# KiCad board JBX16.kicad_pcb (continued)
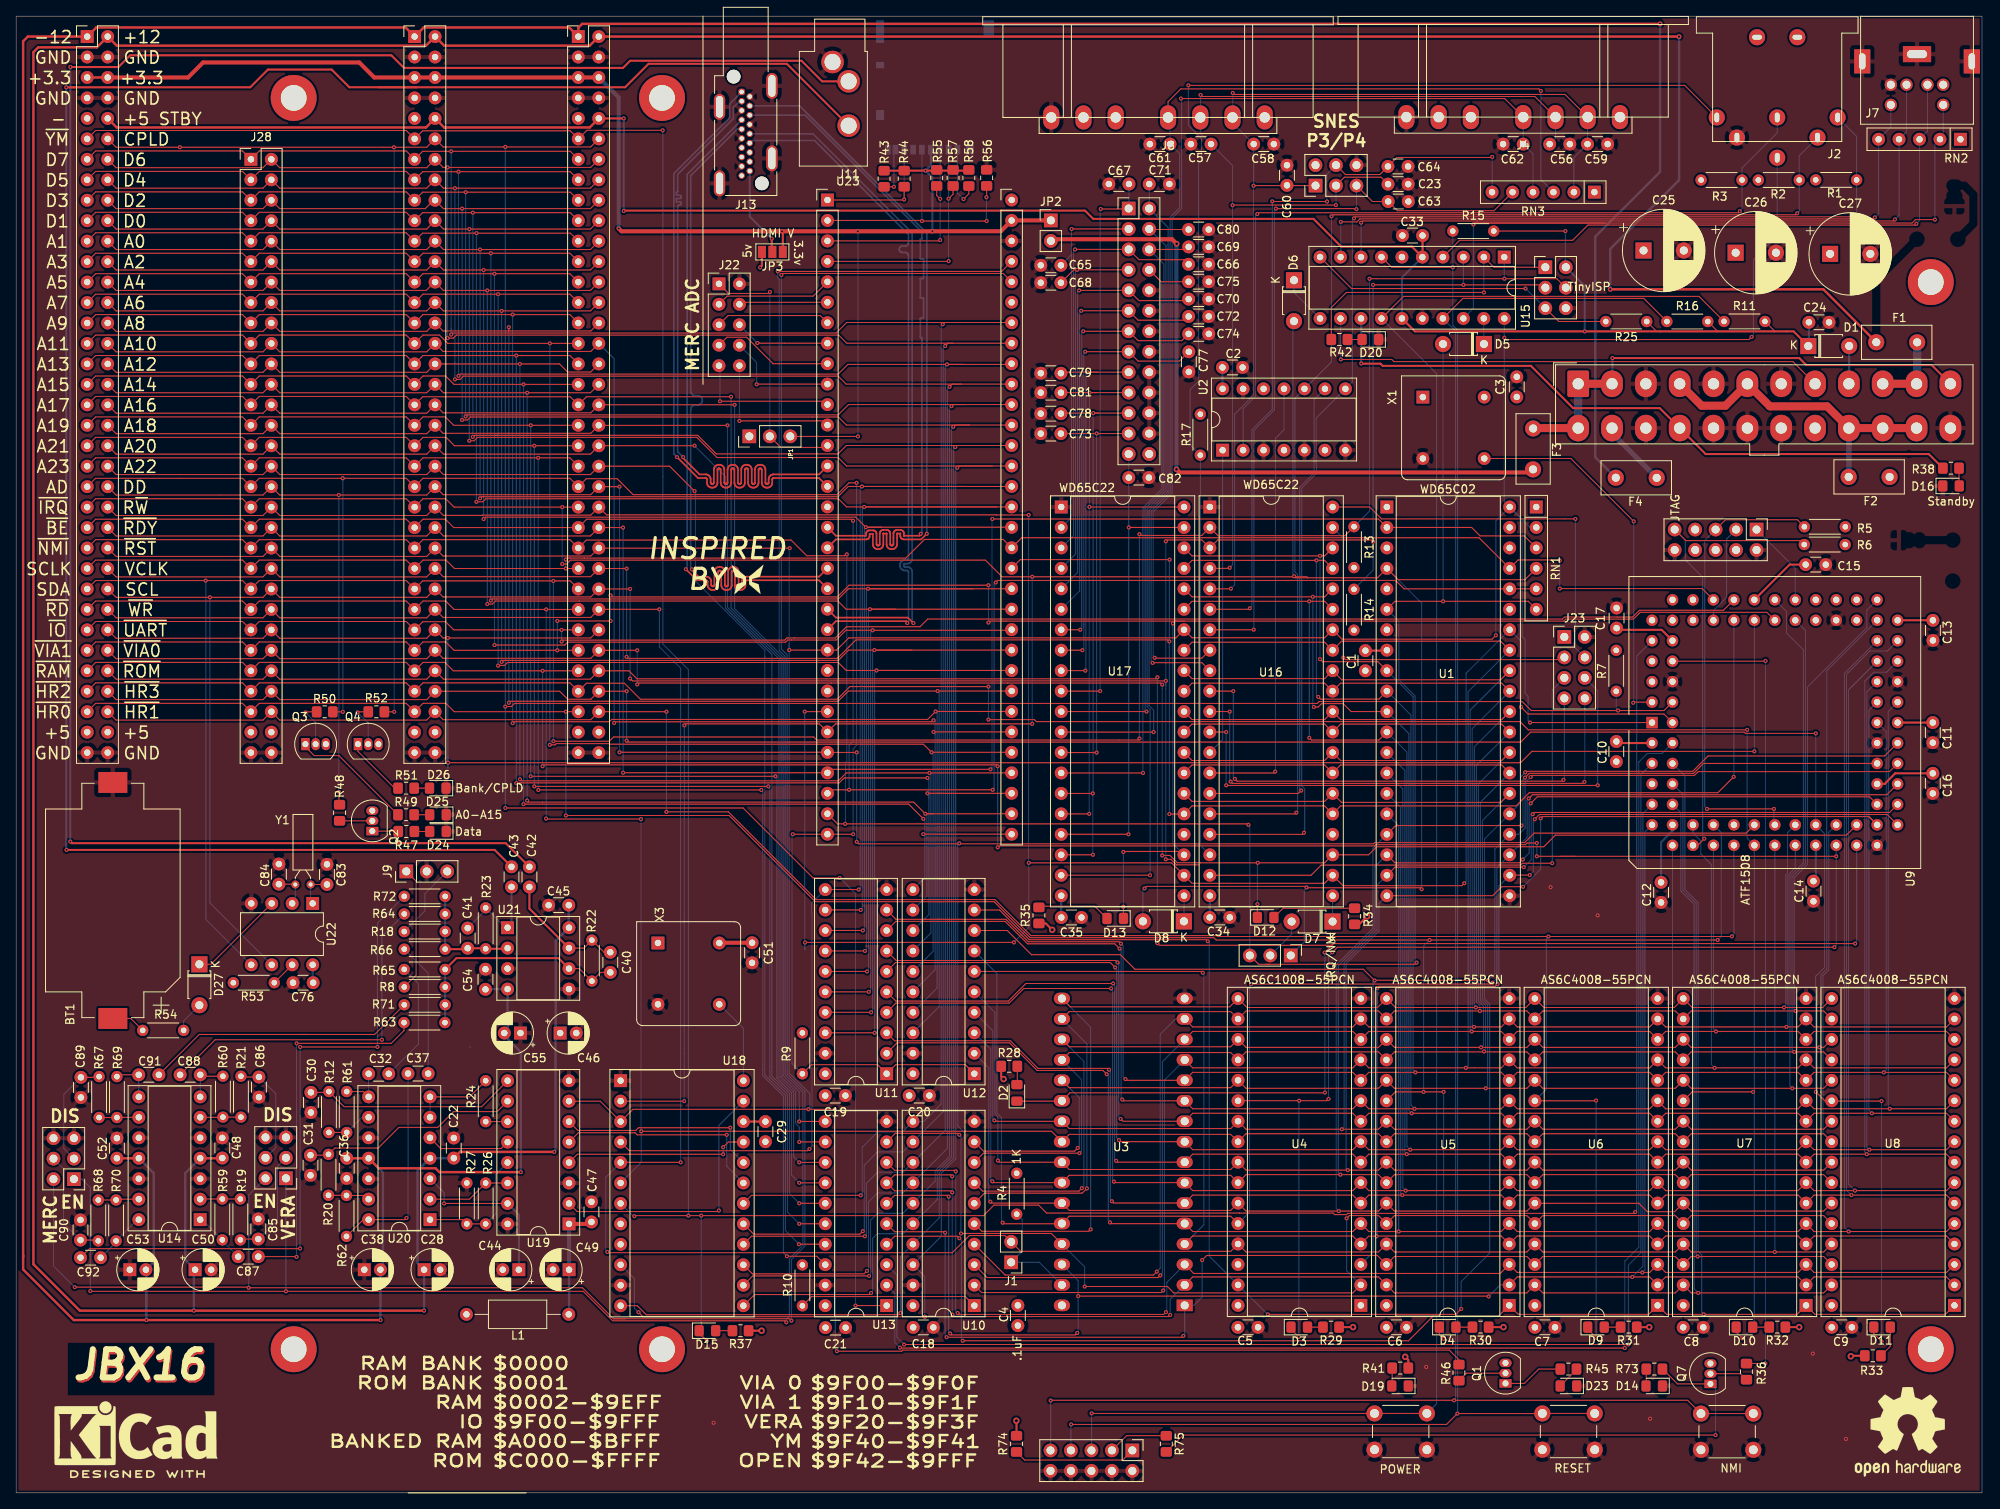
[diagram p0: board, top side]
## Routing (per net, layer and track width the routed paths; a pad name or vN(x,y) marks a point on that pad's centre or on a via; arc(x,y) is an arc through that point) (continued)
V1A7: length 49.9
  Top w0.127: C79.1 129.81,139.14 134.26,139.14 ; v1(132.71,102.09) 129.73,102.09 U17.9 ; 134.26,139.14 132.96,139.14 v1(132.96,139.13) ; 134.26,139.14 J17.17
  Bottom w0.127: v1(132.96,139.13) 132.77,138.95 132.78,138.94 132.78,102.15 v1(132.71,102.09)
V1B0: length 71.3
  Top w0.127: v1(134.55,99.55) 134.54,99.54 U17.10 ; v1(134.62,159.4) 138.03,159.4 J17.1
  Bottom w0.127: v1(134.55,99.55) 134.55,159.32 v1(134.62,159.4) ; J17.1 138.13,159.49 C67.1
V1B1: length 74.8
  Top w0.127: C69.1 145.22,154.38 J17.6 ; v1(140.31,97) U17.11
  Bottom w0.127: v1(140.31,97) 140.12,97.19 140.12,122.2 142.47,124.55 142.47,125.53 142.47,152.55 J17.6
V1B2: length 81.7
  Top w0.127: v1(141.19,94.46) 129.73,94.46 U17.12
  Bottom w0.127: C71.1 140.64,159.47 J17.2 142.98,157.12 142.98,124.34 140.63,121.99 140.63,97.74 141.2,97.17 141.2,94.46 v1(141.19,94.46)
V1B3: length 53
  Top w0.127: v1(134.11,91.92) 129.73,91.92 U17.13 ; v1(134.11,131.53) 134.12,131.52 134.64,131.52 ; 134.64,131.52 129.69,131.52 C73.1 ; 134.64,131.52 J17.23
  Bottom w0.127: v1(134.11,131.53) 134.11,91.92 v1(134.11,91.92)
V1B4: length 79.7
  Top w0.127: J17.8 142.1,150.37 C75.1 ; v1(139.87,89.38) U17.14
  Bottom w0.127: v1(139.87,89.38) 139.87,122.31 142.21,124.66 142.21,150.26 J17.8
V1B5: length 71.8
  Top w0.127: v1(133.65,79.23) 133.64,79.22 U17.18 ; U17.15 v1(133.63,86.84) ; 134.38,134.06 v1(133.68,134.06) ; 134.38,134.06 J17.21 ; 134.38,134.06 129.75,134.06 C78.1
  Bottom w0.127: v1(133.68,134.06) 133.67,134.04 133.67,86.88 v1(133.63,86.84) 133.63,79.24 v1(133.65,79.23)
V1B6: length 76.8
  Top w0.127: U17.40 144.96,122.4 133.24,122.4 v1(133.22,122.42) ; 134.06,136.6 129.69,136.6 C81.1 ; 134.06,136.6 v1(133.22,136.6) ; 134.06,136.6 J17.19 ; v1(133.19,84.3) U17.16
  Bottom w0.127: v1(133.22,136.6) v1(133.22,122.42) 133.19,122.39 v1(133.19,84.3)
V1B7: length 62.9
  Top w0.127: v1(138.1,119.86) U17.39 ; v1(138.07,81.77) 129.73,81.77 U17.17
  Bottom w0.127: 138.09,120.28 138.09,119.87 v1(138.1,119.86) ; 138.09,120.28 138.09,81.8 v1(138.07,81.77) ; 138.09,120.28 138.09,126.04 C82.1 138.1,128.97 J17.25
V1CB2: length 98.2
  Top w0.127: U17.19 129.73,76.69 v1(140.74,76.69) ; C80.1 140.7,156.85 J17.4
  Bottom w0.127: v1(140.74,76.69) 140.75,76.7 140.75,97.26 140.38,97.63 140.38,122.1 142.72,124.45 142.72,124.94 142.72,154.83 J17.4
(no net): length 0.1
  Bottom w0.127: 56.43,55.41 56.33,55.31
/+3.3: length 61.9
  Top w0.254: v1(198.13,140.89) 221.33,140.89 222.2,140.02 237.76,140.02 J19.12
  Top w1: J19.2 J19.1 ; F3.1 188.34,132.2 J19.13 ; 193.91,132.18 193.86,132.12
  Bottom w0.254: J19.2 198.13,137.75 v1(198.13,140.89)
  Bottom w1: J19.1 J19.13
/+5: length 40
  Top w1: J19.4 209.21,134.97 212.16,134.97 J19.6 217.68,134.9 224.78,134.9 J19.21 J19.22 J19.23
  Bottom w0.67: J19.21 227.48,126.17 F2.1
/+12: length 9.4
  Top w1: J19.10 J19.11
  Bottom w1: F1.1 235.96,137.77 J19.11
/-12: length 8.5
  Bottom w0.65: F4.1 198.08,131.57 J19.14
/bc: length 10.5
  Top w0.127: U20.2 56.28,36.47 R26.2 U19.14
/MIXER_L: length 29.3
  Top w0.127: U21.6 69.92,65.09 R22.2 72.55,64.62 C40.2
  Top w0.25: R65.1 54.65,66.39 67.32,66.39 U21.6
  Bottom w0.254: R65.1 53.25,58.41
  Bottom w0.5: 53.25,58.41 R63.1
/MIXER_R: length 14.5
  Top w0.254: R66.1 55.93,67.51 C41.2 58.22,67.62 R23.2 60.92,67.56
  Top w0.5: 58.25,67.52 R23.2 ; 60.92,67.56 U21.2 ; 55.68,67.51 55.69,67.52
  Bottom w0.254: R72.1 R66.1
/mp: length 15.9
  Top w0.127: R26.1 R27.1 55.41,33.93 U20.1
  Bottom w0.127: R26.1 59.53,34.64 59.53,39.54 U19.13
A0: length 291.3
  Top w0.127: U1.9 169.03,103.19 162.15,103.19 v1(161.83,103.51) ; U17.38 145.95,116.33 v1(161.84,116.33) 162.41,116.33 U16.38 ; v1(137.69,51.38) 137.85,51.22 U3.12 146.03,52.21 165.92,52.21 U4.12 167.9,52.21 v1(173.68,52.21) 184.34,52.21 U5.12 186.32,52.21 202.76,52.21 U6.12 204.74,52.21 221.18,52.21 U7.12 223.16,52.21 v1(231.81,52.21) 239.6,52.21 U8.12 ; U11.9 109.2,71.21 122.86,71.21 125.64,68.43 136.89,68.43 v1(137.13,68.19)
  Bottom w0.127: v1(137.69,51.38) 137.4,51.66 137.4,67.91 v1(137.13,68.19) ; v1(231.81,52.21) 232.12,52.52 232.12,94.51 U9.44 ; v1(161.83,103.51) 161.84,103.52 v1(161.84,116.33) ; U1.9 173.38,98.83 173.38,52.51 v1(173.68,52.21)
A1: length 306.8
  Top w0.127: U11.8 109.18,70.96 122.75,70.96 125.54,68.17 136.36,68.17 v1(136.96,67.57) ; U17.37 145.95,115.77 162.41,115.77 U16.37 ; U1.10 169.15,98.55 161.89,98.55 v1(161.62,98.82) ; v1(137.3,48.83) 137.45,48.67 145.04,48.67 U3.11 146.03,47.69 165.92,47.69 U4.11 167.9,47.69 v1(173.57,47.69) 184.34,47.69 U5.11 186.32,47.69 202.76,47.69 U6.11 204.74,47.69 221.18,47.69 U7.11 223.16,47.69 v1(232.56,47.69) 239.6,47.69 U8.11
  Bottom w0.127: v1(136.96,67.57) 137.15,67.39 137.15,48.98 v1(137.3,48.83) ; v1(161.4,115.77) 161.39,115.76 161.39,99.05 v1(161.62,98.82) ; U1.10 173.13,96.55 173.13,48.13 v1(173.57,47.69) ; v1(232.56,47.69) 232.56,47.69 232.37,47.88 232.37,97.02 U9.45
A2: length 302
  Top w0.127: v1(136.71,65.86) 136.47,66.1 109.23,66.1 U11.7 ; U16.36 162.41,111.25 145.95,111.25 U17.36 ; U8.10 239.6,47.13 v1(230.33,47.13) 223.16,47.13 U7.10 221.18,47.13 204.74,47.13 U6.10 202.76,47.13 186.32,47.13 U5.10 184.34,47.13 v1(173.22,47.13) 167.9,47.13 U4.10 165.92,47.13 146.03,47.13 U3.10 137.38,46.14 v1(137.09,46.43) ; v1(161.08,97.57) 161.62,97.57 162.04,97.99 164.72,97.99 165.71,97 U1.11
  Bottom w0.127: U9.46 229.96,97.15 229.96,47.5 v1(230.33,47.13) ; v1(161.08,97.57) 160.95,97.7 v1(160.95,111.25) ; v1(137.09,46.43) 136.86,46.67 136.86,65.63 136.9,65.67 v1(136.71,65.86) ; U1.11 172.88,94.26 172.88,47.47 v1(173.22,47.13)
A3: length 316.8
  Top w0.127: U8.9 239.6,42.61 v1(230.03,42.61) 223.16,42.61 U7.9 221.18,42.61 204.74,42.61 U6.9 202.76,42.61 186.32,42.61 U5.9 184.34,42.61 v1(173.04,42.61) 167.9,42.61 U4.9 165.92,42.61 146.03,42.61 U3.9 145.04,43.6 137.08,43.6 v1(136.89,43.8) ; U16.35 162.41,110.69 145.95,110.69 U17.35 ; U11.6 109.15,65.84 135.81,65.84 v1(136.42,65.24) ; U1.12 169.15,93.47 160.78,93.47 v1(160.51,93.74)
  Bottom w0.127: v1(230.03,42.61) 229.71,42.93 229.71,99.44 U9.48 ; v1(160.51,93.74) v1(160.51,110.69) ; v1(173.04,42.61) 172.62,43.03 172.62,91.98 U1.12 ; v1(136.42,65.24) 136.42,65.18 136.6,65 136.6,44.09 v1(136.89,43.8)
A4: length 274.7
  Top w0.127: v1(136.16,63.24) 125.33,63.24 123.15,61.06 109.19,61.06 U11.5 ; v1(136.53,41.22) 136.7,41.06 U3.8 146.03,42.05 165.92,42.05 U4.8 167.9,42.05 v1(172.61,42.05) 184.34,42.05 U5.8 186.32,42.05 202.76,42.05 U6.8 204.74,42.05 221.18,42.05 U7.8 223.16,42.05 v1(229.7,42.05) 239.6,42.05 U8.8
  Bottom w0.127: v1(229.7,42.05) 229.46,42.3 229.46,100.78 230.57,101.89 232.17,101.89 233.53,103.25 U9.49 ; U1.13 172.37,89.69 172.37,42.3 v1(172.61,42.05) ; v1(136.53,41.22) 136.35,41.41 136.35,63.06 v1(136.16,63.24)
A5: length 282
  Top w0.127: U8.7 239.6,37.53 v1(228.24,37.53) 223.16,37.53 U7.7 221.18,37.53 204.74,37.53 U6.7 202.76,37.53 186.32,37.53 U5.7 184.34,37.53 v1(172.47,37.53) 167.9,37.53 U4.7 165.92,37.53 146.03,37.53 U3.7 136.38,38.52 v1(136.25,38.65) ; U11.4 109.19,60.81 123.25,60.81 125.07,62.62 v1(135.91,62.62)
  Bottom w0.127: v1(136.25,38.65) 136.09,38.81 136.09,62.44 v1(135.91,62.62) ; U1.14 172.11,87.4 172.11,37.89 v1(172.47,37.53) ; v1(228.24,37.53) 227.44,38.34 227.44,99.7 U9.50
A6: length 278.4
  Top w0.127: U8.6 239.6,36.97 v1(227.79,36.97) 223.16,36.97 U7.6 221.18,36.97 204.74,36.97 U6.6 202.76,36.97 186.32,36.97 U5.6 184.34,36.97 167.9,36.97 U4.6 165.92,36.97 146.03,36.97 U3.6 145.03,35.99 136.23,35.99 v1(136.01,36.21) ; v1(135.65,52.54) 135.49,52.7 126.84,52.7 123.41,56.13 109.04,56.13 U11.3
  Bottom w0.127: v1(227.79,36.97) 227.79,36.97 227.18,37.57 227.18,101.62 230.09,104.53 232.26,104.53 U9.51 ; v1(136.01,36.21) 135.81,36.41 135.81,52.38 v1(135.65,52.54) ; U1.15 171.86,85.12 171.86,37.16 v1(172.05,36.97)
A7: length 284.7
  Top w0.127: U11.2 109.35,55.88 123.31,55.88 126.74,52.45 134.89,52.45 v1(135.36,51.98) ; v1(135.77,33.58) 135.92,33.42 145.03,33.42 U3.5 146.03,32.45 165.92,32.45 U4.5 167.9,32.45 v1(171.61,32.45) 184.34,32.45 U5.5 186.32,32.45 202.76,32.45 U6.5 204.74,32.45 221.18,32.45 U7.5 223.16,32.45 v1(227.46,32.45) 239.6,32.45 U8.5
  Bottom w0.127: U9.52 226.93,101.74 226.93,32.98 v1(227.46,32.45) ; v1(135.77,33.58) 135.56,33.79 135.56,51.78 v1(135.36,51.98) ; U1.16 171.61,82.83 v1(171.61,32.45)
A8: length 245.1
  Top w0.127: U8.27 224.36,34.99 207.92,34.99 U7.27 205.86,34.91 202.46,34.91 201.43,35.95 188.54,35.95 U6.27 187.52,34.99 171.08,34.99 U5.27 169.1,34.99 v1(164.18,34.99) 152.66,34.99 U4.27 150.76,35.07 130.71,35.07 U3.27 121.1,35.98 v1(120.92,36.16) ; v1(186.85,82.85) 171.23,82.85 U1.17 ; U9.40 209.43,90.56 208.21,89.33 187.82,89.33 v1(187.29,88.81)
  Bottom w0.127: v1(120.92,36.16) 120.72,36.36 120.72,52.79 U12.2 ; v1(186.85,82.85) 187.03,83.03 187.03,88.55 v1(187.29,88.81) ; U1.17 168.4,80.02 168.4,70.09 163.86,65.55 163.86,35.31 v1(164.18,34.99)
A9: length 238.5
  Top w0.127: U9.36 230.05,86.42 188.81,86.42 187.99,85.61 v1(187.99,85.61) ; U1.18 171.13,78.22 186.59,78.22 v1(187,78.64) ; U8.26 224.36,39.51 207.92,39.51 U7.26 205.94,39.51 189.5,39.51 U6.26 187.52,39.51 171.08,39.51 U5.26 169.1,39.51 v1(164.37,39.51) 152.66,39.51 U4.26 150.76,39.43 130.71,39.43 U3.26 121.32,38.52 v1(121.16,38.68)
  Bottom w0.127: U12.3 120.97,55.08 120.97,38.87 v1(121.16,38.68) ; v1(187,78.64) 187.8,79.43 187.8,85.42 v1(187.99,85.61) ; v1(164.37,39.51) 164.11,39.77 164.11,65.44 168.66,69.99 168.66,77.74 U1.18
A10: length 226.5
  Top w0.127: v1(121.42,46.25) 121.53,46.13 129.79,46.13 U3.23 130.71,45.23 150.76,45.23 U4.23 152.66,45.15 v1(164.55,45.15) 169.1,45.15 U5.23 171.08,45.15 187.52,45.15 U6.23 189.5,45.15 205.94,45.15 U7.23 207.92,45.15 224.36,45.15 U8.23 ; U1.19 171.15,77.69 v1(187.14,77.69) ; v1(188.24,84.26) 188.45,84.48 232.53,84.48 U9.35
  Bottom w0.127: U12.4 121.23,57.37 121.23,46.43 v1(121.42,46.25) ; v1(187.14,77.69) 188.06,78.61 188.06,84.08 v1(188.24,84.26) ; U1.19 168.91,75.45 168.91,69.88 164.82,65.79 164.82,45.42 v1(164.55,45.15)
A11: length 236.5
  Top w0.127: 230,83.93 U9.34 229.96,83.97 189.45,83.97 v1(189.23,83.75) ; v1(187.04,75.25) 187.04,75.26 184.39,75.26 183.27,74.14 U1.20 ; v1(121.86,41.26) 122.07,41.05 129.79,41.05 U3.25 130.71,40.15 150.76,40.15 U4.25 152.66,40.07 v1(165.29,40.07) 169.1,40.07 U5.25 171.08,40.07 187.52,40.07 U6.25 189.5,40.07 205.94,40.07 U7.25 207.92,40.07 224.36,40.07 U8.25
  Bottom w0.127: U12.5 121.48,59.65 121.48,47.05 121.86,46.68 121.86,41.27 v1(121.86,41.26) ; v1(165.29,40.07) 165.07,40.29 165.07,65.69 169.16,69.78 169.16,73.17 U1.20 ; v1(189.23,83.75) 189.23,77.43 v1(187.04,75.25)
A12: length 278.4
  Top w0.127: U9.33 232.25,84.22 189.08,84.22 v1(188.5,83.64) ; v1(183.88,63.17) 183.61,62.9 169.16,62.9 v1(168.94,62.69) ; v1(187.87,76.7) 185.4,76.7 U1.22 ; U12.6 147.13,64.74 v1(147.29,64.57) ; U8.4 239.6,31.89 223.16,31.89 U7.4 221.18,31.89 204.74,31.89 U6.4 202.76,31.89 186.32,31.89 U5.4 184.34,31.89 168.89,31.89 v1(168.86,31.86) 167.87,31.86 U4.4 165.92,31.89 146.03,31.89 U3.4
  Bottom w0.127: v1(168.94,62.69) 168.94,31.95 v1(168.86,31.86) ; v1(147.29,64.57) 147.42,64.45 147.42,33.28 U3.4 ; v1(188.5,83.64) 188.31,83.45 188.31,77.14 v1(187.87,76.7) ; v1(183.88,63.17) 184.05,63.35 184.05,75.35 U1.22
A13: length 196.9
  Top w0.127: U9.37 232.19,86.68 188.21,86.68 v1(187.75,86.22) ; v1(153.28,63.16) 153.29,63.17 183.08,63.17 v1(183.25,63.34) ; U4.28 150.76,34.35 130.71,34.35 U3.28 129.78,33.41 122.59,33.41 v1(122.45,33.55)
  Bottom w0.127: v1(153.28,63.16) 153.1,62.98 153.1,34.87 U4.28 ; v1(183.25,63.34) 183.79,63.88 183.79,77.64 U1.23 187.54,81.38 187.54,86.01 v1(187.75,86.22) ; U12.7 121.74,64.48 121.74,47.17 122.3,46.6 122.3,33.71 v1(122.45,33.55)
A14: length 176.6
  Top w0.127: U12.8 123.02,69.82 126.02,66.82 137.06,66.82 138.87,65.02 167.21,65.02 v1(168.61,63.61) 168.65,63.65 v1(182.7,63.65) ; v1(187.98,88.88) 188.18,89.08 208.31,89.08 208.77,89.54 232.52,89.54 U9.39
  Bottom w0.127: v1(187.98,88.88) 187.29,88.19 187.29,82.54 186.51,81.76 U1.24 183.54,79.92 183.54,64.49 v1(182.7,63.65) ; U4.3 168.42,29.88 168.42,63.42 v1(168.61,63.61)
A15: length 222.5
  Top w0.127: v1(179.36,22.84) 178.68,22.16 v1(155.37,22.16) ; U9.41 231.92,91.49 210,91.49 208.1,89.59 187.45,89.59 v1(187.31,89.46) ; U12.9 122.07,72.36 125.75,68.68 147.72,68.68 v1(147.91,68.49)
  Bottom w0.127: v1(187.31,89.46) 186.72,88.86 186.72,85.64 U1.25 182.26,81.18 182.26,61.36 182.9,60.72 182.9,29.76 179.36,26.22 v1(179.36,22.84) ; v1(155.37,22.16) 155.32,22.16 U4.31 148.09,29.39 148.09,68.3 v1(147.91,68.49)
ACTLED: length 36.2
  Top w0.127: R42.1 163.24,147.17 165.11,149.04 v1(182.18,149.04) ; U15.2 183.43,152.17 J5.1
  Bottom w0.127: v1(182.18,149.04) 182.17,149.06 U15.2
adc0: length 14.6
  Top w0.127: J22.3 88.25,148.58 98.93,148.58 U23.5
adc1: length 11
  Top w0.127: U23.6 90.03,147.82 J22.4
adc2: length 14.3
  Top w0.127: J22.5 88.38,146.17 99.81,146.17 U23.7
adc3: length 11.9
  Top w0.127: v1(92.01,142.76) 92.03,142.74 U23.8
  Bottom w0.127: v1(92.01,142.76) 89.78,144.99 J22.6
adc4: length 15.2
  Top w0.127: J22.7 88.23,143.48 90.67,143.48 93.95,140.2 U23.9
adc5: length 14.5
  Top w0.127: U23.10 91.93,137.66 v1(91.91,137.64)
  Bottom w0.127: J22.8 91.91,140.35 v1(91.91,137.64)
adc6: length 18
  Top w0.127: v1(87.37,135.53) 100.29,135.53 U23.11
  Bottom w0.127: v1(87.37,135.53) 87.37,139.82 J22.9
adc7: length 18
  Top w0.127: v1(89.78,133.09) 100.19,133.09 U23.12
  Bottom w0.127: v1(89.78,133.09) J22.10
ADRDD: length 235
  Top w0.127: J20.45 9.87,125.97 28.1,125.97 J28.33 30.18,125.97 v1(40.54,125.97) 48.42,125.97 J12.45 50.5,125.97 68.74,125.97 J21.45 70.77,125.92 74.59,125.92 76.58,123.93 101.9,123.93 103.37,125.4 v1(104.32,125.4) ; U12.1 117.81,53.16 109.17,53.16 U11.1 106.93,53.16 98.72,53.16 R9.2 ; v1(96.4,81.78) U23.32 v1(103.89,81.78) ; R50.1 v1(40.55,96.97)
  Bottom w0.127: v1(40.54,125.97) 40.55,125.95 v1(40.55,96.97) ; v1(104.32,125.4) 104.32,92.8 103.89,92.37 v1(103.89,81.78) ; R9.2 96.31,53.32 96.31,81.69 v1(96.4,81.78)
bA0: length 285.2
  Top w0.127: U23.50 123.56,124.95 117.8,124.95 ; v1(98.47,42.7) 98.26,42.48 76.11,42.48 U18.4 ; J20.22 12.41,154.36 30.64,154.36 J28.10 32.72,154.36 50.96,154.36 J12.22 53.04,154.36 v1(57.58,154.36) 71.28,154.36 J21.22 ; v1(104.99,124.95) 117.8,124.95 ; 117.8,124.95 103.28,124.95 102.01,123.68 57.77,123.68 v1(57.58,123.49) ; v1(104.58,74.9) U11.11
  Bottom w0.127: v1(98.47,42.7) 98.78,43.01 98.78,71.95 98.72,72.01 98.72,73.19 U11.11 ; v1(57.58,154.36) 57.58,123.49 v1(57.58,123.49) ; v1(104.99,124.95) 104.77,124.73 104.77,75.09 v1(104.58,74.9)
bA1: length 235
  Top w0.127: v1(57.14,123.05) 57.14,123.05 57.93,123.05 58.3,123.42 102.07,123.42 103.08,122.41 121.73,122.41 ; 121.73,122.41 v1(105.26,122.41) ; 121.73,122.41 123.56,122.41 U23.49 ; v1(104.84,72.38) 100.44,72.38 U11.12 ; J21.21 68.79,156.4 v1(57.14,156.4) 50.45,156.4 J12.21 48.42,156.45 30.18,156.45 J28.9 28.1,156.45 9.87,156.45 J20.21
  Bottom w0.127: v1(57.14,156.4) 57.14,156.39 v1(57.14,123.05) ; v1(105.26,122.41) 105.02,122.18 105.02,72.56 v1(104.84,72.38)
bA2: length 217.5
  Top w0.127: J21.24 71.28,151.82 v1(58.03,151.82) 53.04,151.82 J12.24 50.96,151.82 32.72,151.82 J28.12 30.64,151.82 12.41,151.82 J20.24 ; v1(58.03,120.9) 58.26,121.14 104.22,121.14 105.47,119.89 107.43,119.89 ; 107.43,119.89 123.55,119.89 U23.48 ; 107.43,119.89 v1(105.47,119.89) ; U11.13 100.43,69.83 v1(105.1,69.83)
  Bottom w0.127: v1(58.03,151.82) 58.03,120.91 v1(58.03,120.9) ; v1(105.1,69.83) 105.28,70.01 105.28,119.71 v1(105.47,119.89)
bA3: length 235
  Top w0.127: J20.23 9.87,153.91 28.1,153.91 J28.11 30.18,153.91 48.42,153.91 J12.23 50.5,153.91 v1(58.92,153.91) 68.74,153.91 J21.23 ; 118.79,112.25 123.56,112.25 U23.45 ; 118.79,112.25 v1(105.74,112.25) ; 118.79,112.25 103.3,112.25 102.03,110.98 59.11,110.98 v1(58.92,110.79) ; U11.14 100.43,67.28 v1(105.36,67.28)
  Bottom w0.127: v1(58.92,110.79) 58.92,153.9 v1(58.92,153.91) ; v1(105.74,112.25) 105.54,112.04 105.54,67.46 v1(105.36,67.28)
bA4: length 221.6
  Top w0.127: J21.26 71.28,149.28 v1(58.48,149.28) 53.04,149.28 J12.26 51.94,150.33 50.9,149.28 32.72,149.28 J28.14 30.64,149.28 12.41,149.28 J20.26 ; v1(105.61,64.74) 100.44,64.74 U11.15 ; v1(105.98,109.71) 109.17,109.71 ; 109.17,109.71 103.01,109.71 101.99,110.73 69.91,110.73 69.9,110.72 59.48,110.72 59.1,110.35 v1(58.48,110.35) ; 109.17,109.71 123.56,109.71 U23.44
  Bottom w0.127: v1(105.61,64.74) 105.8,64.92 105.8,109.53 v1(105.98,109.71) ; v1(58.48,149.28) v1(58.48,110.35)
bA5: length 225.1
  Top w0.127: J21.25 68.74,151.37 v1(59.37,151.37) 50.5,151.37 J12.25 48.42,151.37 30.18,151.37 J28.13 28.1,151.37 9.87,151.37 J20.25 ; v1(105.84,62.2) U11.16 ; U23.43 123.48,107.09 v1(106.31,107.09) 102.99,107.09 101.78,105.89 95.77,105.89 95.5,105.62 68.46,105.62 68.1,105.26 59.39,105.26 v1(59.39,105.26)
  Bottom w0.127: v1(59.39,105.26) 59.37,105.27 v1(59.37,151.37) ; v1(106.31,107.09) 106.05,106.84 106.05,62.41 v1(105.84,62.2)
bA6: length 226.5
  Top w0.127: v1(106.12,59.67) 100.43,59.67 U11.17 ; v1(106.53,104.64) 111.18,104.64 ; 111.18,104.64 U23.42 ; 111.18,104.64 103.33,104.64 102.05,103.36 60.45,103.36 v1(60.27,103.17) ; J21.28 71.28,146.74 53.04,146.74 J12.28 50.96,146.74 32.72,146.74 J28.16 30.64,146.74 12.41,146.74 J20.28
  Bottom w0.127: v1(106.12,59.67) 106.31,59.85 106.31,104.41 v1(106.53,104.64) ; v1(60.27,103.17) v1(60.27,146.74)
bA7: length 229.6
  Top w0.127: 111.15,102.11 123.56,102.11 U23.41 ; 111.15,102.11 v1(106.79,102.11) ; 111.15,102.11 103.03,102.11 102.05,103.09 60.99,103.09 60.63,102.73 59.86,102.73 v1(59.83,102.7) ; v1(106.56,57.12) 100.43,57.12 U11.18 ; J21.27 68.74,148.83 v1(59.83,148.83) 50.5,148.83 J12.27 48.42,148.83 30.18,148.83 J28.15 28.1,148.83 9.87,148.83 J20.27
  Bottom w0.127: v1(106.56,57.12) 106.56,57.13 106.56,101.88 v1(106.79,102.11) ; v1(59.83,148.83) v1(59.83,102.7)
bA8: length 217.5
  Top w0.127: J21.30 71.33,144.25 61.15,144.25 ; U23.40 123.56,99.55 v1(114.38,99.55) 103.29,99.55 102.02,98.28 61.35,98.28 v1(61.16,98.09) ; 61.15,144.25 52.99,144.25 J12.30 50.96,144.2 32.72,144.2 J28.18 30.64,144.2 12.41,144.2 J20.30 ; 61.15,144.25 61.16,144.27 v1(61.16,144.72)
  Bottom w0.127: U12.18 114.57,60.38 114.57,99.36 v1(114.38,99.55) ; v1(61.16,98.09) v1(61.16,144.72)
bA9: length 215.6
  Top w0.127: J20.29 9.87,146.29 28.1,146.29 J28.17 30.18,146.29 48.42,146.29 J12.29 50.5,146.29 68.74,146.29 J21.29 ; v1(61.63,95.55) 61.63,95.57 61.8,95.74 66.5,95.74 ; 66.5,95.74 66.43,95.74 ; 66.5,95.74 73.64,95.74 73.92,96.03 113.14,96.03 v1(114.13,97.02) U23.39
  Bottom w0.127: v1(61.63,95.55) v1(61.63,146.29) ; U12.17 114.31,62.66 114.31,96.83 v1(114.13,97.02)
bA10: length 196.3
  Top w0.127: J21.32 71.33,141.71 52.99,141.71 J12.32 50.96,141.66 32.72,141.66 J28.20 30.64,141.66 12.41,141.66 J20.32 ; U23.38 123.56,94.48 v1(113.87,94.48) ; v1(113.87,95.92) 113.69,95.73 74.37,95.73 v1(74.22,95.58)
  Bottom w0.127: U12.16 114.06,64.95 114.06,94.11 ; 114.06,94.11 114.06,94.29 v1(113.87,94.48) ; 114.06,94.11 114.06,95.73 v1(113.87,95.92) ; v1(74.22,95.58) 74.22,95.59 74.22,140.81 J21.32
bA11: length 199.5
  Top w0.127: J21.31 69.77,142.72 v1(66.25,142.72) 53.58,142.72 52.55,143.75 50.5,143.75 J12.31 48.42,143.75 30.18,143.75 J28.19 28.1,143.75 9.87,143.75 J20.31 ; v1(66.25,92.87) 66.89,92.87 67.04,93.02 73.6,93.02 73.67,92.95 73.67,92.95 112.61,92.95 v1(113.62,91.95) 123.56,91.95 U23.37
  Bottom w0.127: v1(113.62,91.95) 113.81,91.76 113.81,67.24 U12.15 ; v1(66.25,92.87) 66.25,142.72 v1(66.25,142.72)
bA12: length 199.7
  Top w0.127: v1(62.53,88.59) 62.54,88.59 62.72,88.41 102.06,88.41 103.04,89.39 v1(113.37,89.39) 123.56,89.39 U23.36 ; J21.34 71.31,139.15 68.46,139.15 67.45,140.16 v1(62.53,140.16) 52,140.16 J12.34 50.96,139.12 32.72,139.12 J28.22 30.64,139.12 12.41,139.12 J20.34
  Bottom w0.127: v1(62.53,88.59) 62.53,88.59 v1(62.53,140.16) ; v1(113.37,89.39) 113.55,89.2 113.55,69.52 U12.14
bA13: length 198.9
  Top w0.127: J21.33 68.74,141.21 v1(62.08,141.21) 50.5,141.21 J12.33 48.42,141.21 30.18,141.21 J28.21 28.1,141.21 9.87,141.21 J20.33 ; v1(113.11,86.85) 123.56,86.85 U23.35 ; v1(62.08,88.12) 62.11,88.15 102.16,88.15 102.57,88.56 102.59,88.56 102.8,88.76 v1(113.11,88.76)
  Bottom w0.127: v1(62.08,88.12) v1(62.08,141.21) ; U12.13 113.3,71.81 113.3,86.21 ; v1(113.11,86.85) 113.3,86.66 113.3,86.21 ; v1(113.11,88.76) 113.3,88.58 113.3,86.21
bA14: length 188.6
  Top w0.127: J21.36 71.28,136.58 v1(63.43,136.58) 53.04,136.58 J12.36 50.96,136.58 32.72,136.58 J28.24 30.64,136.58 12.41,136.58 J20.36 ; v1(112.86,84.32) 113.69,84.32 ; 113.69,84.32 U23.34 ; 113.69,84.32 112.85,84.32 111.4,85.76 65.32,85.76 63.62,85.76 v1(63.43,85.95)
  Bottom w0.127: v1(63.43,136.58) 63.43,85.95 v1(63.43,85.95) ; v1(112.86,84.32) 113.04,84.13 113.04,74.09 U12.12
bA15: length 187
  Top w0.127: v1(112.6,83.69) 110.78,85.51 65.32,85.51 v1(62.98,85.51) ; v1(112.6,81.79) 123.56,81.79 U23.33 ; J21.35 v1(62.98,137.63) 54.35,137.63 53.31,138.67 50.5,138.67 J12.35 48.42,138.67 30.18,138.67 J28.23 28.1,138.67 9.87,138.67 J20.35
  Bottom w0.127: U12.11 112.79,76.38 112.79,81.35 ; v1(62.98,85.51) 62.98,85.51 v1(62.98,137.63) ; v1(112.6,83.69) 112.79,83.5 112.79,81.35 ; 112.79,81.35 112.79,81.6 v1(112.6,81.79)
bD0: length 314.1
  Top w0.127: v1(77.26,22.43) 77.81,21.87 112.42,21.87 112.43,21.86 v1(112.78,21.86) ; U23.51 121.14,127.5 ; 121.14,127.5 103.07,127.5 102.03,128.54 87,128.54 84.49,131.04 57.27,131.04 56.85,130.62 v1(56.25,130.62) ; 121.14,127.5 117.04,127.5 v1(116.81,127.27) ; J20.20 12.41,156.9 30.64,156.9 J28.8 32.72,156.9 50.96,156.9 J12.20 53.04,156.9 v1(56.25,156.9) 71.28,156.9 J21.20
  Bottom w0.127: U18.10 76.74,26.61 76.74,22.94 v1(77.26,22.43) ; v1(116.81,127.27) 116.63,127.09 116.63,41.47 114.84,39.68 114.84,31.86 U10.18 112.78,26.87 v1(112.78,21.86) ; v1(56.25,156.9) v1(56.25,130.62)
bD1: length 310.4
  Top w0.127: 59.79,131.3 84.6,131.3 86.9,129 102.01,129 103.05,130.04 121.25,130.04 ; 59.79,131.3 56.88,131.3 v1(56.69,131.11) ; 59.79,131.3 59.43,131.3 ; U18.12 77.1,23.24 78.21,22.13 109.55,22.13 v1(109.76,22.33) ; 121.25,130.04 116.75,130.04 v1(116.57,129.85) ; 121.25,130.04 U23.52 ; J20.19 9.87,158.99 28.1,158.99 J28.7 30.18,158.99 48.42,158.99 J12.19 50.46,158.94 v1(56.7,158.94) 68.79,158.94 J21.19
  Bottom w0.127: v1(109.76,22.33) 109.76,29.32 U10.17 114.58,34.15 114.58,39.78 116.37,41.57 116.37,129.65 v1(116.57,129.85) ; v1(56.7,158.94) 56.69,158.93 v1(56.69,131.11)
bD2: length 290.8
  Top w0.127: J21.18 71.28,159.44 v1(55.36,159.44) 53.04,159.44 J12.18 51.82,160.49 50.78,159.44 32.72,159.44 J28.6 30.64,159.44 12.41,159.44 J20.18 ; v1(106.12,24.81) 105.93,24.63 91.66,24.63 U18.13 ; 98.85,133.57 102.05,133.57 103.05,132.58 118.34,132.58 ; 98.85,133.57 56.4,133.57 56.04,133.21 v1(55.35,133.21) ; 98.85,133.57 98.85,133.58 ; 118.34,132.58 116.53,132.58 v1(116.32,132.36) ; 118.34,132.58 U23.53
  Bottom w0.127: v1(116.32,132.36) 116.12,132.16 116.12,41.68 114.33,39.89 114.33,36.43 U10.16 110.07,32.17 106.89,32.17 106.31,31.59 106.31,25.01 v1(106.12,24.81) ; v1(55.36,159.44) 55.36,133.21
bD3: length 291.7
  Top w0.127: U23.54 117.87,135.12 ; 117.87,135.12 103.32,135.12 102.04,133.83 55.98,133.83 v1(55.8,133.65) ; 117.87,135.12 116.31,135.12 v1(116.1,134.91) ; J21.17 68.78,161.49 v1(55.8,161.49) 50.46,161.49 J12.17 48.42,161.53 30.18,161.53 J28.5 28.1,161.53 9.87,161.53 J20.17 ; U18.14 91.43,26.94 v1(105.87,26.94)
  Bottom w0.127: v1(55.8,161.49) 55.8,161.48 v1(55.8,133.65) ; v1(116.1,134.91) 115.85,134.66 115.85,41.77 114.08,39.99 114.08,38.72 U10.15 110.07,34.71 106.91,34.71 106.04,33.84 106.04,27.11 v1(105.87,26.94)
bD4: length 290.6
  Top w0.127: v1(105.6,27.55) 105.24,27.19 91.4,27.19 U18.15 ; v1(54.46,138.24) 55.12,138.24 55.52,138.65 102.04,138.65 103.03,137.66 117.3,137.66 ; v1(115.85,137.33) 116.18,137.66 117.3,137.66 ; J20.16 12.41,161.98 30.64,161.98 J28.4 32.72,161.98 50.96,161.98 J12.16 53.04,161.98 71.28,161.98 J21.16 ; 117.3,137.66 U23.55
  Bottom w0.127: v1(54.46,161.98) 54.46,140.36 ; 54.46,140.36 54.46,140.2 ; 54.46,140.36 54.46,138.76 ; 54.46,138.76 v1(54.46,138.24) ; 54.46,138.76 54.46,138.69 ; v1(105.6,27.55) 105.79,27.74 105.79,36.13 106.9,37.23 110.05,37.23 U10.14 115.58,42.77 115.58,137.06 v1(115.85,137.33)
bD5: length 292.5
  Top w0.127: v1(105.35,31.86) 91.28,31.86 U18.16 ; 117.53,140.1 103.23,140.1 102.03,138.9 55.13,138.9 v1(54.91,138.68) ; 117.53,140.1 123.47,140.1 U23.56 ; 117.53,140.1 v1(115.53,140.1) ; J20.15 9.87,164.07 28.1,164.07 J28.3 30.18,164.07 48.42,164.07 J12.15 50.46,164.03 68.78,164.03 J21.15
  Bottom w0.127: v1(105.35,31.86) 105.54,32.05 105.54,38.43 106.91,39.81 110.09,39.81 U10.13 115.33,45.05 115.33,139.9 v1(115.53,140.1) ; 54.91,141.35 54.91,140.34 ; 54.91,141.35 54.91,164.02 v1(54.91,164.03) ; 54.91,141.35 54.91,140.5 ; 54.91,140.34 54.91,138.69 ; 54.91,140.34 v1(54.91,138.68)
bD6: length 287.9
  Top w0.127: J21.14 71.31,164.56 v1(53.56,164.56) 53.01,164.56 J12.14 50.96,164.52 32.72,164.52 J28.2 30.64,164.52 12.41,164.52 J20.14 ; 116.26,142.74 115.67,142.74 v1(115.32,142.39) ; 116.26,142.74 103.1,142.74 102.09,143.74 54.65,143.74 54.28,143.37 v1(53.56,143.37) ; 116.26,142.74 U23.57 ; U18.17 91.55,32.12 104.72,32.12 v1(105.1,32.49)